# Altium PCB Ixora.PcbDoc (part 11 of 13) (continued)
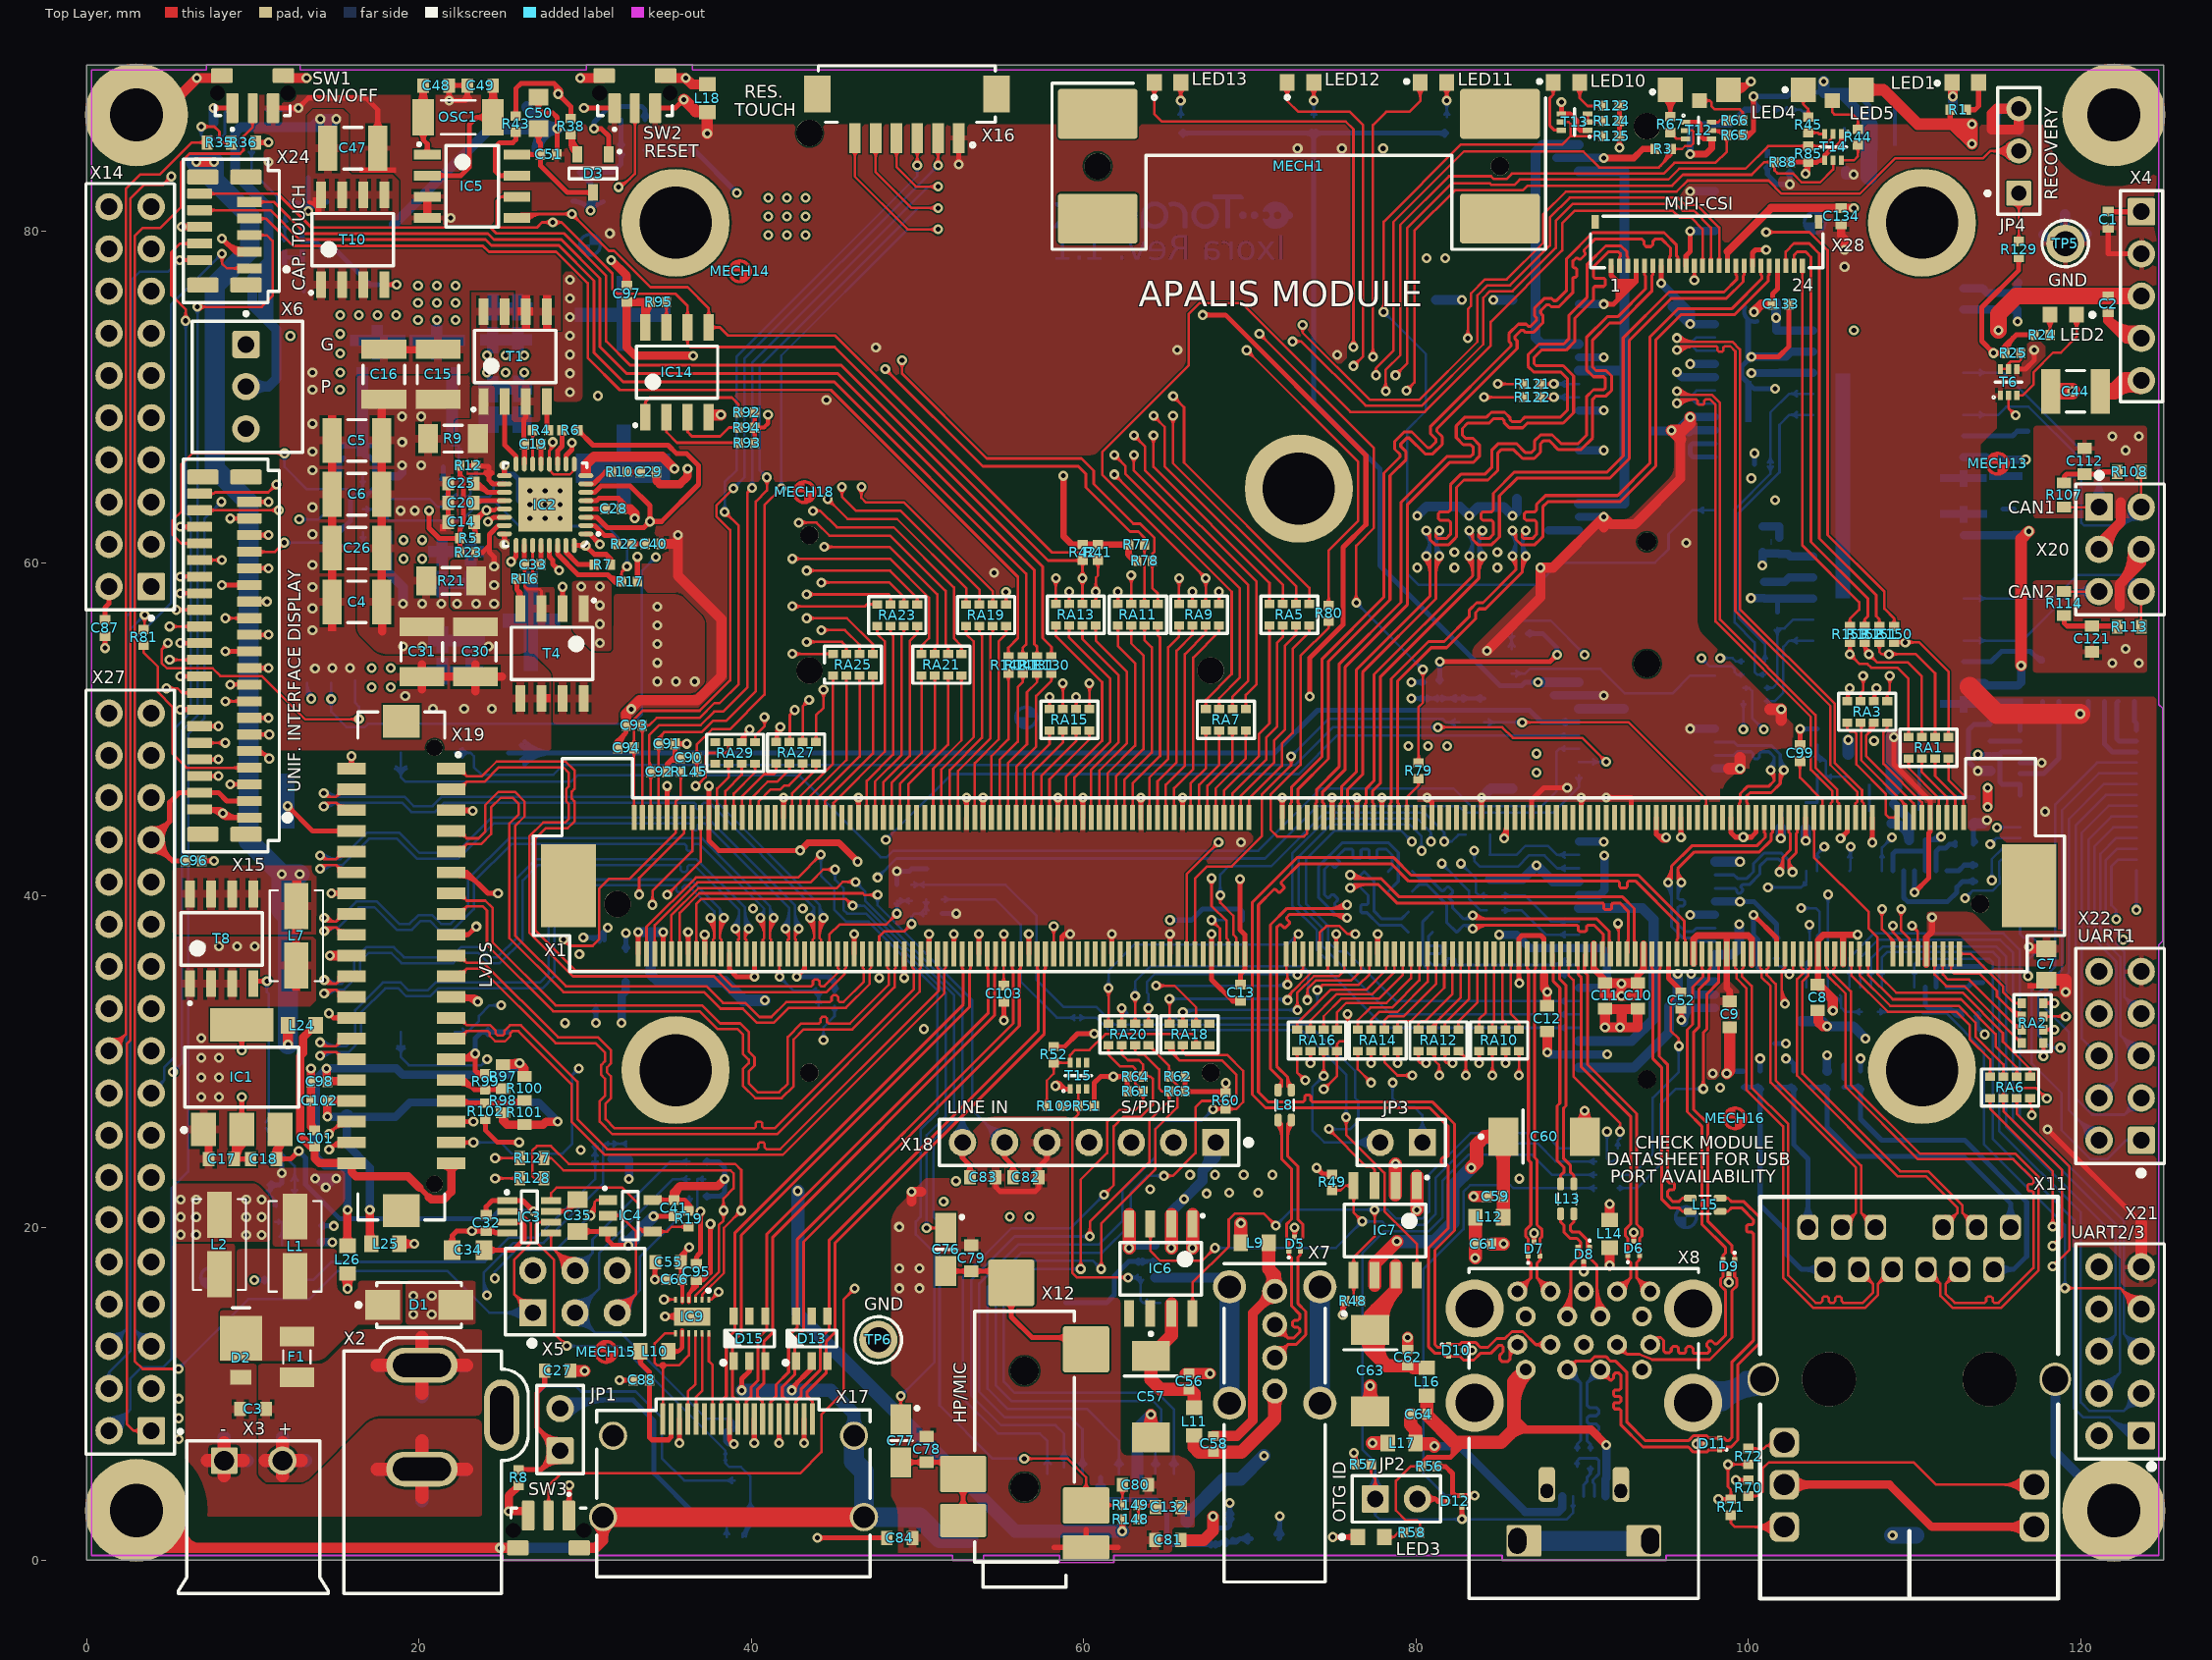
[diagram p0: Top Layer view]
## Nets (pads, with @x,y where several pads share a name; then routed paths per layer and width w, separated by ;. In a path a pad name is that pad's centre, name@x,y a point inside that pad or via, vN(x,y) a via of type N, cw(c..) or ccw(c..) an arc to the next point about the centre after c; other vN are vias at no path point) (continued)
  Bottom Layer w0.15: v1(71.565,20.14) 72.525,21.1 v1(77.515,21.1) 78.29,21.1 78.816,20.574 80.374,20.574 80.789,20.989 80.789,23.208 83.282,25.7 87.7,25.7 88.6,24.8 RA8.5@90.85,24.8 ; v1@71.565,20.365 ccw(c71.565,20.908) 71.95,20.524 ccw(c72.334,20.14) v1@71.79,20.14 ; v1@77.356,20.941 ccw(c76.972,20.557) 76.972,21.1 ccw(c76.972,21.643) v1@77.356,21.259 ; v1@77.674,20.941 cw(c78.058,20.557) 78.058,21.1 cw(c78.058,21.643) v1@77.674,21.259 ; RA8.5@90.691,24.641 ccw(c90.307,24.257) 90.307,24.8 ccw(c90.307,25.343) RA8.5@90.691,24.959
USBH_PCIE_N: R118.2 R120.2 X25.36 | length 14.6
  Bottom Layer w0.18: R118.2@80.997,37.8 80.76,37.563 80.76,37.068 80.832,36.995 81.459,36.995 81.531,36.923 81.531,36.586 81.459,36.513 80.832,36.513 80.76,36.441 80.76,36.07 80.995,35.835 81.804,35.835 81.877,35.907 81.877,36.154 81.949,36.226 82.286,36.226 82.359,36.154 82.359,35.907 82.431,35.835 89.585,35.835 X25.36@89.8,36.05 ; 88.074,35.835 ccw(c88.074,37.076) X25.36@88.952,36.198 ; 88.509,35.835 ccw(c88.509,36.641) X25.36@89.079,36.071
USBH_PCIE_P: R119.2 R126.2 X25.38 | length 14.6
  Bottom Layer w0.18: R119.2@80.997,39.019 80.39,38.412 80.39,35.917 80.842,35.465 89.585,35.465 X25.38@89.8,35.25 ; 88.074,35.465 cw(c88.074,34.224) X25.38@88.952,35.102 ; 88.509,35.465 cw(c88.509,34.659) X25.38@89.079,35.229
USBO1_D_CL_N: R55.1 X9.2 | length 4.5
  Bottom Layer w0.18: R55.1@89.6,5.823 ccw(c89.494,6) 89.7,6 ; R55.1@89.7,5.656 89.7,6 ; R55.1@89.8,5.823 cw(c89.906,6) 89.7,6 ; X9.2@90.75,3.85 90.75,4.561 90.65,4.661 90.65,4.841 90.995,5.186 90.995,6.02 90.879,6.136 89.836,6.136 89.7,6
USBO1_D_CL_P: R54.1 X9.3 | length 2.7
  Bottom Layer w0.18: X9.3@90.1,3.85 90.1,4.55 90.285,4.735 90.285,4.985 90.495,5.195 ; R54.1@90.359,5.516 cw(c90.048,5.195) 90.495,5.195 ; R54.1@90.495,5.636 90.495,5.195 ; R54.1@90.631,5.516 ccw(c90.942,5.195) 90.495,5.195
USBO1_D_CON_N: D11.2 L15.3 R55.2 X8.L2 | length 40.3
  Top Layer w0.18: X8.L2@89.1,11.48 89.601,11.981 ; X8.L2@89.328,11.936 ccw(c89.433,12.148) 89.601,11.981 ; X8.L2@89.556,11.708 cw(c89.768,11.813) 89.601,11.981 ; L15.3@98.3,21 98.773,21 98.988,21.215 99.585,21.215 100.3,20.5 100.3,20.28 100.212,20.192 99.978,20.192 99.89,20.104 99.89,19.84 99.978,19.752 100.212,19.752 100.3,19.664 100.3,13.224 99,11.924 99,7.384 98.812,7.196 98.692,7.196 98.527,7.361 D11.2@98.275,7.361 97.644,7.361 97.504,7.501 96.697,7.501 96.392,7.196 93.814,7.196 92.695,8.314 92.695,11.305 92.019,11.981 91.717,11.981 91.427,12.27 90.773,12.27 90.483,11.981 89.601,11.981
  Bottom Layer w0.18: X8.L2@89.1,11.48 89.915,10.665 ; X8.L2@89.116,11.15 cw(c89.148,10.473) 89.627,10.953 cw(c90.107,11.432) X8.L2@89.43,11.464 ; X8.L2@89.124,10.971 cw(c89.174,9.924) 89.915,10.665 ; R55.2@89.586,6.774 ccw(c89.425,6.997) 89.7,6.997 ; X8.L2@89.609,11.456 ccw(c90.656,11.406) 89.915,10.665 ; R55.2@89.7,6.616 89.7,6.997 ; R55.2@89.814,6.774 cw(c89.975,6.997) 89.7,6.997 ; 89.7,6.997 89.915,7.212 89.915,10.665
USBO1_D_CON_P: D11.1 L15.4 R54.2 X8.L3 | length 42.9
  Top Layer w0.18: X8.L3@91.1,11.48 91.1,11.421 91.671,10.85 ; X8.L3@91.213,10.983 cw(c91.322,10.501) 91.671,10.85 ; X8.L3@91.576,11.297 ccw(c91.968,11.147) 91.671,10.85 ; L15.4@98.3,21.8 98.773,21.8 98.988,21.585 99.738,21.585 100.67,20.653 100.67,13.071 99.37,11.771 99.37,7.231 98.965,6.826 98.692,6.826 98.527,6.661 D11.1@98.275,6.661 97.644,6.661 97.504,6.521 96.697,6.521 96.392,6.826 93.661,6.826 92.325,8.161 92.325,9.035 92.249,9.111 91.963,9.111 91.887,9.187 91.887,9.415 91.963,9.491 92.249,9.491 92.325,9.567 92.325,9.795 92.249,9.871 91.963,9.871 91.887,9.947 91.887,10.175 91.963,10.251 92.249,10.251 92.325,10.327 92.325,11.152 92.207,11.27 91.993,11.27 91.9,11.177 91.9,10.989 91.761,10.85 91.671,10.85
  Bottom Layer w0.18: R54.2@90.381,6.774 ccw(c90.22,6.997) 90.495,6.997 ; R54.2@90.495,6.616 90.495,6.997 ; X8.L3@90.591,11.456 cw(c89.544,11.406) 90.285,10.665 ; R54.2@90.609,6.774 cw(c90.77,6.997) 90.495,6.997 ; X8.L3@90.77,11.464 cw(c90.093,11.432) 90.573,10.953 cw(c91.052,10.473) X8.L3@91.084,11.15 ; X8.L3@91.076,10.971 ccw(c91.026,9.924) 90.285,10.665 ; X8.L3@91.1,11.48 90.285,10.665 ; 90.285,10.665 90.285,9.344 90.434,9.195 90.848,9.195 90.997,9.046 90.997,8.847 90.848,8.698 90.434,8.698 90.285,8.549 90.285,8.35 90.434,8.201 90.848,8.201 90.997,8.052 90.997,7.853 90.848,7.704 90.434,7.704 90.285,7.555 90.285,7.207 90.495,6.997
USBO1_D_N: L15.2 X1.76 | length 17
  Top Layer w0.18: X1.76@94.2,36.5 94.2,35.611 94.265,35.546 94.265,30.18 94.78,29.665 94.78,21.747 95.312,21.215 95.812,21.215 96.027,21 L15.2@96.5,21
USBO1_D_P: L15.1 X1.74 | length 17
  Top Layer w0.18: X1.74@94.7,36.5 94.7,35.611 94.635,35.546 94.635,30.333 95.15,29.818 95.15,22.818 95.238,22.73 95.472,22.73 95.56,22.642 95.56,22.378 95.472,22.29 95.238,22.29 95.15,22.202 95.15,21.9 95.465,21.585 95.812,21.585 96.027,21.8 L15.1@96.5,21.8
USBO1_EN: IC7.3 R2.2 R47.2 | length 47.4
  Top Layer w0.15: v1@74.75,25.73 cw(c74.75,25.187) 75.134,25.571 cw(c75.518,25.955) v1@74.975,25.955 ; v1(74.75,25.955) 77.007,23.698 77.329,23.698 77.515,23.512 ; IC7.3@77.376,23.227 ccw(c77.154,23.512) 77.515,23.512 ; IC7.3@77.515,22.55 77.515,23.512 ; IC7.3@77.654,23.227 cw(c77.876,23.512) 77.515,23.512
  Bottom Layer w0.15: R47.2@49.65,40.655 R2.2@50.55,40.655 55.306,40.655 57.175,38.786 57.175,34.925 58.801,33.299 60.782,33.299 61.838,32.243 73.548,32.243 76.327,29.464 76.327,27.838 76.53,27.635 76.53,26.43 76.055,25.955 v1(74.75,25.955) ; R47.2@49.824,40.507 cw(c50.182,40.148) 50.182,40.655 cw(c50.182,41.162) R47.2@49.824,40.804 ; R2.2@50.377,40.507 ccw(c50.018,40.148) 50.018,40.655 ccw(c50.018,41.162) R2.2@50.377,40.804 ; v1@74.909,25.796 cw(c75.293,25.412) 75.293,25.955 cw(c75.293,26.499) v1@74.909,26.115
USBO1_ID: D12.1 JP2.1 R57.2 RA8.7 X9.4 | length 79.6
  Top Layer w0.15: R57.2@77.162,5.589 cw(c76.877,5.273) 77.302,5.273 ; JP2.1@77.263,4.393 ccw(c77.086,4.822) 77.55,4.822 ccw(c78.014,4.822) JP2.1@77.837,4.393 ; R57.2@77.302,5.77 77.302,5.273 ; JP2.1@77.321,4.254 ccw(c77.178,4.598) 77.55,4.598 ccw(c77.922,4.598) JP2.1@77.779,4.254 ; R57.2@77.443,5.589 ccw(c77.727,5.273) 77.302,5.273 ; JP2.1@77.55,3.7 77.55,4.914 77.302,5.162 77.302,5.273 ; 77.55,4.601 ccw(c77.716,4.601) 77.686,4.438 cw(c77.716,4.601) 77.55,4.601 ; 77.55,4.601 cw(c77.384,4.601) 77.414,4.438 ccw(c77.384,4.601) 77.55,4.601
  Top Layer w0.3: v1@82.669,2.581 ccw(c82.413,2.837) 82.775,2.837 ccw(c83.137,2.837) v1@82.881,2.581 ; v1(82.775,2.475) D12.1@82.775,3.2
  Bottom Layer w0.15: v1@82.616,2.316 ccw(c82.232,1.932) 82.232,2.475 ccw(c82.232,3.018) v1@82.616,2.634 ; v1@82.934,2.316 cw(c83.318,1.932) 83.318,2.475 cw(c83.318,3.018) v1@82.934,2.634 ; X9.4@89.362,3.287 cw(c89.148,3.073) 89.45,3.073 cw(c89.752,3.073) X9.4@89.538,3.287 ; X9.4@89.45,3.85 89.45,2.85 89.075,2.475 v1(82.775,2.475) 77.79,2.475 77.55,2.715 ; RA8.7@90.691,23.041 ccw(c90.307,22.657) 90.307,23.2 ccw(c90.307,23.743) RA8.7@90.691,23.359 ; RA8.7@90.85,23.2 88.197,23.2 86.997,24.4 83.15,24.4 81.61,22.86 81.61,20.65 80.772,19.812 78.095,19.812 76.775,18.492 76.775,6.675 77.55,5.9 JP2.1@77.55,3.7 77.55,2.715 ; JP2.1@77.02,4.23 ccw(c75.739,5.511) 77.55,5.511 ; JP2.1@77.02,4.23 ccw(c75.739,5.511) 77.55,5.511 ; JP2.1@77.02,4.23 ccw(c75.739,5.511) 77.55,5.511 ; JP2.1@77.126,4.124 ccw(c76.101,5.149) 77.55,5.149 ; JP2.1@77.126,4.124 ccw(c76.101,5.149) 77.55,5.149 ; JP2.1@77.126,4.124 ccw(c76.101,5.149) 77.55,5.149 ; JP2.1@77.232,4.018 ccw(c76.464,4.786) 77.55,4.786 ; JP2.1@77.232,4.018 ccw(c76.464,4.786) 77.55,4.786 ; JP2.1@77.232,4.018 ccw(c76.464,4.786) 77.55,4.786 ; 77.55,2.715 ccw(c77.279,2.715) 77.351,2.977 cw(c77.279,2.715) 77.55,2.715 ; 77.55,2.715 cw(c77.821,2.715) 77.749,2.977 ccw(c77.821,2.715) 77.55,2.715 ; 77.55,4.786 ccw(c78.636,4.786) JP2.1@77.868,4.018 ; 77.55,4.786 ccw(c78.636,4.786) JP2.1@77.868,4.018 ; 77.55,4.786 ccw(c78.636,4.786) JP2.1@77.868,4.018 ; 77.55,5.149 ccw(c78.999,5.149) JP2.1@77.974,4.124 ; 77.55,5.149 ccw(c78.999,5.149) JP2.1@77.974,4.124 ; 77.55,5.149 ccw(c78.999,5.149) JP2.1@77.974,4.124 ; 77.55,5.511 ccw(c79.361,5.511) JP2.1@78.08,4.23 ; 77.55,5.511 ccw(c79.361,5.511) JP2.1@78.08,4.23 ; 77.55,5.511 ccw(c79.361,5.511) JP2.1@78.08,4.23
USBO1_OC#: IC7.8 R46.2 R59.1 | length 49.5
  Top Layer w0.15: v1@75.636,26.514 cw(c75.252,26.13) 75.795,26.13 cw(c76.338,26.13) v1@75.954,26.514 ; v1(75.795,26.673) 75.795,25.618 78.105,23.308 78.105,20.995 80.055,19.045 IC7.8@80.055,17.15 ; IC7.8@79.896,17.809 ccw(c79.512,18.193) 80.055,18.193 ccw(c80.598,18.193) IC7.8@80.214,17.809
  Bottom Layer w0.15: R46.2@51.48,39.775 54.7,39.775 56.21,38.265 56.21,34.84 58.39,32.66 R59.1@59.621,32.66 60.762,32.66 61.494,31.928 73.101,31.928 75.795,29.234 v1(75.795,26.673) ; R46.2@51.654,39.627 cw(c52.012,39.268) 52.012,39.775 cw(c52.012,40.282) R46.2@51.654,39.924 ; R59.1@59.448,32.512 ccw(c59.089,32.153) 59.089,32.66 ccw(c59.089,33.167) R59.1@59.448,32.808 ; R59.1@59.795,32.512 cw(c60.153,32.153) 60.153,32.66 cw(c60.153,33.167) R59.1@59.795,32.808 ; v1@75.636,26.832 ccw(c75.252,27.216) 75.795,27.216 ccw(c76.338,27.216) v1@75.954,26.832
USBO1_SSRX_N: D9.2 X1.64 X8.L5 | length 32.6
  Top Layer w0.18: X8.L5@94.1,12.98 94.528,13.408 ; X8.L5@94.394,13.396 ccw(c94.454,13.481) 94.528,13.408 ; X8.L5@94.516,13.274 cw(c94.601,13.334) 94.528,13.408 ; X1.64@97.2,36.5 97.2,35.611 97.265,35.546 97.265,35.12 96.65,34.505 96.65,32.251 96.328,31.929 96.328,26.995 97.2,26.123 97.2,20.234 98.638,18.796 98.638,18.522 98.473,18.357 D9.2@98.473,18.107 98.473,17.075 98.333,16.935 98.333,16.529 98.638,16.224 98.638,13.561 98.101,13.024 97.978,13.024 97.803,13.2 97.644,13.2 97.504,13.06 97.504,12.885 97.671,12.717 97.671,12.595 97.533,12.456 96.752,12.456 96.665,12.543 96.665,12.756 96.541,12.88 96.359,12.88 96.231,12.752 96.231,12.543 96.144,12.456 95.884,12.456 95.797,12.543 95.797,12.77 95.687,12.88 95.48,12.88 95.363,12.763 95.363,12.606 95.257,12.5 95,12.5 94.9,12.6 94.9,13.23 94.722,13.408 94.528,13.408
USBO1_SSRX_P: D9.1 X1.62 X8.L6 | length 33.4
  Top Layer w0.16: 93.458,12.404 94.2,12.086
  Top Layer w0.18: X8.L6@92.1,12.98 92.676,12.404 ; X8.L6@92.267,12.498 cw(c92.396,12.125) 92.676,12.404 ; X8.L6@92.582,12.813 ccw(c92.955,12.684) 92.676,12.404 ; 93.458,12.404 92.676,12.404 ; 94.2,12.086 97.686,12.086 99.008,13.408 99.008,16.224 99.313,16.529 99.313,16.935 99.173,17.075 99.173,18.357 99.008,18.522 99.008,18.95 97.57,20.388 97.57,26.276 96.698,27.148 96.698,31.776 97.02,32.098 97.02,34.352 97.635,34.967 97.635,35.546 97.7,35.611 X1.62@97.7,36.5
USBO1_SSTX_N: D10.1 X1.70 X8.L8 | length 78.2
  Top Layer w0.18: X8.L8@87.658,12.725 ccw(c87.217,12.471) 87.217,12.98 ; X8.L8@87.658,13.235 cw(c87.217,13.489) 87.217,12.98 ; X8.L8@88.1,12.98 87.217,12.98 ; X1.70@95.7,36.5 95.7,37.361 95.765,37.426 95.765,38.332 93.227,40.87 92.795,40.87 92.723,40.797 92.723,40.551 92.651,40.479 92.313,40.479 92.241,40.551 92.241,40.797 92.169,40.87 79.562,40.87 78.511,41.921 72.994,41.921 71.89,40.816 71.89,40.714 72.064,40.54 72.064,40.438 71.825,40.199 71.723,40.199 71.549,40.373 71.447,40.373 70.52,39.447 70.52,28.18 71.1,27.6 73.224,27.6 73.3,27.676 73.3,27.92 73.376,27.996 73.604,27.996 73.68,27.92 73.68,27.676 73.756,27.6 80.975,27.6 82.32,26.255 82.32,19.849 81.134,18.663 81.134,12.989 81.302,12.821 81.577,12.821 81.742,12.986 82.625,12.986 82.765,13.126 83.572,13.126 83.877,12.821 84.335,12.821 84.864,13.35 85.353,13.35 85.773,13.77 86.427,13.77 87.217,12.98
USBO1_SSTX_P: D10.2 X1.68 X8.L9 | length 79.6
  Top Layer w0.18: 85.65,12.17 cw(c86.131,12.17) X8.L9@86.113,12.65 ; 85.65,12.357 cw(c86.124,12.357) X8.L9@86.106,12.83 ; 85.65,12.544 cw(c86.117,12.544) X8.L9@86.099,13.01 ; X8.L9@85.669,12.707 cw(c85.55,12.63) 85.65,12.53 ; X8.L9@85.827,12.549 ccw(c85.75,12.43) 85.65,12.53 ; X8.L9@86.1,12.98 85.65,12.53 ; X1.68@96.2,36.5 96.2,37.361 96.135,37.426 96.135,38.485 93.38,41.24 79.715,41.24 78.664,42.291 72.841,42.291 70.15,39.6 70.15,28.027 70.947,27.23 80.822,27.23 81.95,26.102 81.95,24.35 81.845,24.245 81.625,24.245 81.52,24.14 81.52,23.93 81.625,23.825 81.845,23.825 81.95,23.72 81.95,20.003 80.764,18.817 80.764,12.836 81.149,12.451 81.577,12.451 81.742,12.286 82.625,12.286 82.861,12.05 83.476,12.05 83.877,12.451 84.488,12.451 84.987,12.95 85.15,12.95 85.25,12.85 85.25,12.556 85.05,12.356 85.05,12.1 85.2,11.95 85.51,11.95 85.65,12.09 85.65,12.53
USBO1_VBUS: D12.2 R56.1 RA8.8 | length 36.3
  Top Layer w0.3: R56.1@81.28,5.65 81.775,5.65 82.2,5.225 82.2,4.6 82.2,4.052 82.352,3.9 D12.2@82.775,3.9 v1(83.535,3.9) ; R56.1@81.375,5.555 cw(c81.606,5.324) 81.606,5.65 cw(c81.606,5.976) R56.1@81.375,5.745 ; v1@83.429,3.794 ccw(c83.173,3.538) 83.173,3.9 ccw(c83.173,4.262) v1@83.429,4.006
  Bottom Layer w0.15: v1@83.376,3.741 ccw(c82.992,3.357) 82.992,3.9 ccw(c82.992,4.443) v1@83.376,4.059 ; v1(83.535,3.9) 81.75,3.9 80.45,5.2 80.45,17.534 82.855,19.939 82.855,22.174 83.261,22.581 85.674,22.581 85.855,22.4 RA8.8@90.85,22.4 ; RA8.8@90.691,22.241 ccw(c90.307,21.857) 90.307,22.4 ccw(c90.307,22.943) RA8.8@90.691,22.559
V5FILT: C20.2 IC2.3 IC2.6 IC2.20 R5.1 R6.2 R12.2 R17.2 R23.2 | length 65.1
  Top Layer w0.3: v1(20.612,63.172) 20.612,62.116 21.228,61.5 R5.1@22.47,61.5 ; R23.2@22.375,60.77 ccw(c22.144,61.001) 22.47,61.001 ccw(c22.796,61.001) R23.2@22.565,60.77 ; R5.1@22.375,61.38 cw(c22.144,61.149) 22.47,61.149 cw(c22.796,61.149) R5.1@22.565,61.38 ; R5.1@22.375,61.405 ccw(c22.144,61.174) 22.144,61.5 ccw(c22.144,61.826) R5.1@22.375,61.595 ; R5.1@22.375,61.62 ccw(c22.144,61.851) 22.47,61.851 ; R12.2@22.375,65.755 cw(c22.144,65.524) 22.47,65.524 cw(c22.796,65.524) R12.2@22.565,65.755 ; R23.2@22.47,60.65 R5.1@22.47,61.5 ; 22.47,61.851 ccw(c22.796,61.851) R5.1@22.565,61.62 ; R12.2@22.47,65.85 22.47,65.287 22.67,65.087 22.67,62.319 22.47,62.119 R5.1@22.47,61.5 ; 22.675,63.65 C20.2@23.2,63.65 ; C20.2@23.172,63.509 ccw(c22.83,63.167) 22.83,63.65 ccw(c22.83,64.133) C20.2@23.172,63.791 ; C20.2@23.25,63.775 IC2.20@25.15,63.775 ; C20.2@23.454,63.584 cw(c23.916,63.122) 23.916,63.775 ; C20.2@23.454,63.866 ccw(c23.675,64.087) 23.675,63.775 ; R6.2@29.58,67.865 cw(c29.58,67.523) R6.2@29.822,67.765 ; R6.2@29.58,68.025 29.58,68.007 30.48,67.107 35.001,67.107 35.509,66.599 36.119,66.599 36.83,65.888 36.83,64.745 34.605,62.52 v1(33.909,62.52) ; R6.2@29.715,68 ccw(c30.025,68) R6.2@29.806,67.781 ; IC2.3@30.05,62.775 30.714,62.775 31.335,62.154 33.543,62.154 v1(33.909,62.52) ; IC2.6@30.05,64.275 30.579,64.275 30.954,64.65 32.731,64.65 33.909,63.472 v1(33.909,62.52) ; v1@33.049,60.289 cw(c32.793,60.033) 33.155,60.033 cw(c33.517,60.033) v1@33.261,60.289 ; R17.2@33.06,59.02 ccw(c32.829,59.251) 33.155,59.251 ccw(c33.481,59.251) R17.2@33.25,59.02 ; R17.2@33.155,58.9 v1(33.155,60.395) ; v1@33.759,62.52 cw(c33.397,62.52) 33.653,62.264 cw(c33.909,62.008) v1@33.909,62.37 ; v1@33.803,62.626 ccw(c33.547,62.882) 33.909,62.882 ccw(c34.271,62.882) 34.015,62.626 ccw(c34.271,62.882) 34.271,62.52 ccw(c34.271,62.158) v1@34.015,62.414
  Mid-Layer 2 w0.254: 32.896,61.354 ccw(c33.16,61.354) 33.155,61.09 ccw(c33.16,61.354) 33.16,61.09 ccw(c33.16,61.354) 33.423,61.354 ccw(c33.16,61.354) 33.346,61.54 ccw(c33.16,61.354) 32.973,61.54 ccw(c33.16,61.354) 32.896,61.354
  Mid-Layer 2 w0.3: v1@20.612,63.022 cw(c20.612,62.66) 20.868,62.916 cw(c21.124,63.172) v1@20.762,63.172 ; v1(20.612,63.172) 21.834,61.95 24.4,61.95 24.867,62.416 24.867,63.576 26.365,65.075 29.439,65.075 32.973,61.54 33.16,61.354 ; v1@33.049,60.501 ccw(c32.793,60.757) 33.155,60.757 ccw(c33.517,60.757) v1@33.261,60.501 ; v1(33.155,60.395) 33.155,61.09 33.155,61.349 33.16,61.354 ; v1@33.803,62.414 cw(c33.547,62.158) 33.909,62.158 cw(c34.271,62.158) v1@34.015,62.414 ; v1(33.909,62.52) 33.909,62.103 33.346,61.54 33.16,61.354
V_FAN_UNREG: C47.2 R68.2 T10.5 T10.6 T10.7 T10.8 X6.2 | length 37.1
  Top Layer w0.254: 13.423,81.729 cw(c13.322,81.14) 13.919,81.153
  Mid-Layer 2 w0.6: v1(14.072,86.741) v1(15.037,86.741)
  Bottom Layer w0.6: X6.2@9.6,70.64 10.95,70.64 11.43,71.12 11.43,74.066 9.982,75.515 R68.2@9.982,76.378 9.982,77.215 10.947,78.181 ; X6.2@9.971,70.269 cw(c10.867,69.373) 10.867,70.64 cw(c10.867,71.907) X6.2@9.971,71.011 ; 10.643,74.905 10.643,77.826 ; 10.947,74.574 10.947,78.181 ; 10.947,78.181 10.947,81.432 8.941,83.439 8.941,85.928 9.271,86.258 13.589,86.258 ; 13.589,86.258 14.554,86.258 v1(15.037,86.741) v1(14.072,86.741) 13.589,86.258
V_SUPPLY_FILT: C4.2 C5.2 C6.2 C15.2 C16.2 C17.2 C26.2 C30.2 C31.2 C43.2 C46.2 D14.1 D16.1 IC1.1 IC2.22 L1.2 L7.1 R30.2 R33.2 R68.1 T1.5 T1.6 T4.5 T4.6 T8.1 T8.2 T8.3 T10.1 T10.2 T10.3 | length 42.9
  Top Layer w0.3: IC1.1@7.046,25.924 IC1.1@7.35,25.62 ; v1(24.15,62.5) 24.23,62.5 24.505,62.775 ; v1@24.162,62.649 ccw(c24.198,63.082) 24.505,62.775 ; IC2.22@25.15,62.775 24.505,62.775
  Top Layer w0.5: C17.2@7.35,24.246 IC1.1@7.35,25.62 ; 20.179,52.42 C31.2@20.179,53.182 ; 20.179,53.926 C31.2@20.179,53.182 ; 23.39,53.926 23.4,53.916 C30.2@23.4,53.182 ; 23.4,52.3 C30.2@23.4,53.182 ; 25,53.189 24.994,53.182 C30.2@23.4,53.182 ; C31.2@20.179,53.182 C30.2@23.4,53.182
  Mid-Layer 2 w0.3: v1(13.6,63.377) 15.308,63.377 16.591,64.66 20.772,64.66 22.932,62.5 v1(24.15,62.5) ; v1@24.044,62.394 ccw(c23.788,62.138) 23.788,62.5 ccw(c23.788,62.862) v1@24.044,62.606
  Mid-Layer 1 w0.8: v1(11.75,23.3) 13.44,23.3 ; 13.44,23.3 15.035,23.3 v1(15.035,22.975) ; 13.44,23.3 v1(13.765,22.975) ; v1(13.765,22.975) v1(15.035,22.975) ; v1(13.765,22.975) 14.298,22.442 v1(14.4,22.442) 14.502,22.442 v1(15.035,22.975)
  Bottom Layer w0.15: C43.2@10.852,22.264 cw(c10.732,22.024) 11,22.024 cw(c11.321,22.024) C43.2@11.135,22.286 ; C43.2@11,22.585 11,22.025 11.35,21.675 ; 11.161,21.864 cw(c10.819,21.521) R30.2@11.269,21.342 ; R30.2@11.249,21.504 ccw(c11.155,21.675) 11.35,21.675 ; 11.323,21.702 cw(c11.05,21.429) R30.2@11.409,21.287 ; R30.2@11.35,21.32 11.35,21.675 ; R30.2@11.451,21.504 cw(c11.545,21.675) 11.35,21.675
  Bottom Layer w0.254: R33.2@11.913,78.412 11.915,78.41 C46.2@12.979,78.41 ; R68.1@13.082,76.378 R68.1@13.082,76.962
  Bottom Layer w0.3: D14.1@10.975,23.963 11.613,23.963 11.75,23.826 v1(11.75,23.3) 11.75,22.709 11.626,22.585 C43.2@11,22.585 ; C43.2@11.116,22.444 cw(c11.458,22.102) 11.458,22.585 cw(c11.458,23.068) C43.2@11.116,22.726 ; D14.1@11.199,23.839 cw(c11.498,23.541) 11.498,23.963 cw(c11.498,24.386) D14.1@11.199,24.087
  Bottom Layer w0.5: v1@13.867,22.975 v1(14.4,22.442) v1@14.933,22.975
  Bottom Layer w0.6: v1(13.765,22.975) 13.867,22.975 14.933,22.975 v1(15.035,22.975)
  other v1: 6.9,27.894 7.978,27.894 6.9,29.072 7.978,29.072 6.9,30.25 7.978,30.25 6.9,31.428 6.9,36.95 7.978,36.95 9.056,36.95 10.134,36.95 20.85,51.25 22.726,51.25 24.4,51.25 19.179,52.007 13.75,53.675 14.8,53.702 15.85,53.7 13.6,55.975 13.6,57.292 13.6,58.583 13.6,59.9 13.6,61.75 13.6,65.6 13.6,66.726 13.6,68.4 13.6,70.45 13.6,71.475
V_SUPPLY_FILT_SW: C44.2 L7.2 L24.1 T8.5 T8.6 T8.7 T8.8 X4.5 | length 196.1
  Top Layer w0.6: v1(6.604,84.15) v1(7.671,84.15) ; L24.1@12.114,32.194 12.125,32.182 v1(12.125,31.05)
  Top Layer w1: C44.2@121.183,70.35 122.018,70.35 ; X4.5@123.541,70.694 ccw(c123.052,69.317) 122.018,70.35 ; X4.5@123.65,71 122.668,71 122.018,70.35
  Mid-Layer 1 w1.2: v1(6.604,84.15) v1(7.671,84.15) 10.008,86.487 11.938,86.487 13.691,84.734 41.504,84.734 42.088,84.15 44.983,84.15 47.396,86.563 87.097,86.563 90.272,83.388 99.644,83.388 103.353,79.68 103.353,77.648 105.054,75.946 117.348,75.946 122.294,71 X4.5@123.65,71
  Bottom Layer w1.2: v1(12.125,31.05) 12.125,38.726 11.746,39.105 11.746,40.215 ; 7.671,83.083 v1(6.604,84.15) v1(7.671,84.15) 7.671,83.083 ; 7.671,83.083 9.83,80.924 9.83,78.842 7.722,76.733 7.722,65.71 9.754,63.678 9.754,43.292 v1(11.746,41.3) ; 11.746,40.215 v1(12.831,41.3) v1(11.746,41.3) ; 11.746,40.215 v1(11.746,41.3)
V_SUPPLY_SW_EN: C45.2 R32.2 T9.1 | length 26.7
  Bottom Layer w0.15: T9.1@12.725,16.87 13.644,16.87 14.732,17.958 23.954,17.958 25.427,19.431 27.102,19.431 30.611,22.941 C45.2@30.611,24.159 ; T9.1@12.884,16.711 cw(c13.268,16.327) 13.268,16.87 cw(c13.268,17.413) T9.1@12.884,17.029 ; C45.2@30.449,23.957 cw(c30.058,23.566) 30.611,23.566 ; C45.2@30.449,24.341 ccw(c30.058,24.733) 30.611,24.733 ; C45.2@30.452,24 cw(c30.068,23.616) 30.611,23.616 cw(c31.155,23.616) C45.2@30.771,24 ; R32.2@30.463,24.901 cw(c30.104,24.543) 30.611,24.543 cw(c31.118,24.543) R32.2@30.76,24.901 ; C45.2@30.601,24.149 C45.2@30.611,24.159 ; 30.611,23.614 cw(c31.096,23.614) C45.2@30.753,23.957 ; 30.611,24.684 ccw(c31.096,24.684) C45.2@30.753,24.341 ; R32.2@30.611,25.075 C45.2@30.611,24.159
V_SUPPLY_SW_EN#: C43.1 D14.2 R31.2 T8.4 | length 22.6
  Top Layer w0.3: T8.4@10.008,34.85 v1(10.855,34.85) ; v1@10.749,34.744 ccw(c10.493,34.488) 10.493,34.85 ccw(c10.493,35.212) v1@10.749,34.956
  Bottom Layer w0.15: v1@10.696,34.691 cw(c10.312,34.307) 10.855,34.307 cw(c11.398,34.307) v1@11.014,34.691 ; D14.2@10.798,26.016 cw(c10.371,25.589) 10.975,25.589 cw(c11.579,25.589) D14.2@11.152,26.016 ; v1(10.855,34.85) 10.855,34.205 10.975,34.085 10.975,25.271 12.525,23.721 C43.1@12.525,22.585 12.525,21.975 ; R31.2@12.124,21.504 ccw(c12.03,21.675) 12.225,21.675 ; R31.2@12.17,21.279 cw(c12.48,21.438) 12.234,21.684 ; R31.2@12.225,21.32 12.225,21.675 ; R31.2@12.303,21.347 cw(c12.672,21.536) 12.379,21.829 ; R31.2@12.326,21.504 cw(c12.42,21.675) 12.225,21.675 ; C43.1@12.331,22.854 ccw(c11.861,23.324) 12.525,23.324 ccw(c13.189,23.324) C43.1@12.719,22.854 ; C43.1@12.365,22.286 cw(c12.142,21.975) 12.525,21.975 ; C43.1@12.685,22.286 ccw(c12.908,21.975) 12.525,21.975 ; 10.975,26.797 ccw(c11.579,26.797) 11.152,26.37 cw(c11.579,26.797) 10.975,26.797 ; 10.975,26.797 cw(c10.371,26.797) 10.798,26.37 ccw(c10.371,26.797) 10.975,26.797 ; 12.225,21.675 12.525,21.975
V_SUPPLY_SW_EN_R: R30.1 R31.1 T9.3 | length 4.2
  Bottom Layer w0.15: R30.1@11.35,20.36 11.775,20.36 ; R30.1@11.548,20.241 cw(c11.775,20.084) 11.775,20.36 ; R30.1@11.548,20.479 ccw(c11.775,20.636) 11.775,20.36 ; T9.3@11.616,19.479 ccw(c11.232,19.863) 11.775,19.863 ccw(c12.318,19.863) T9.3@11.934,19.479 ; T9.3@11.775,18.97 11.775,20.36 ; R31.1@12.03,20.236 ccw(c11.788,20.06) 11.788,20.36 ; R31.1@12.03,20.484 cw(c11.788,20.66) 11.788,20.36 ; R31.1@12.225,20.36 11.788,20.36
VCC_BATT: BAT1.1 R39.1 R40.1 | length 38.5
  Mid-Layer 1 w0.3: v1(13.355,81.193) 13.747,81.585 29.974,81.585 v1(30.33,81.228) ; v1@13.355,81.343 ccw(c13.355,81.705) 13.611,81.449 ccw(c13.868,81.193) v1@13.505,81.193 ; v1@30.18,81.228 ccw(c29.818,81.228) 30.074,81.484 ccw(c30.33,81.74) v1@30.33,81.378
  Bottom Layer w0.3: BAT1.1@12.296,81.752 cw(c12.319,80.512) v1(13.355,81.193) ; v1@13.249,81.299 ccw(c12.993,81.555) 13.355,81.555 ccw(c13.718,81.555) v1@13.461,81.299 ; BAT1.1@13.355,83.194 v1(13.355,81.193) ; BAT1.1@14.453,81.749 ccw(c14.414,80.464) v1(13.355,81.193) ; BAT1.1@29.271,81.787 cw(c29.294,80.547) v1(30.33,81.228) ; BAT1.1@29.652,83.532 30.33,82.854 v1(30.33,81.228) ; v1@30.356,81.207 v1@30.356,81.264 ; 30.356,81.529 ccw(c30.631,81.529) 30.436,81.334 cw(c30.693,81.59) 30.33,81.59 cw(c29.968,81.59) 30.224,81.334 ccw(c29.907,81.652) BAT1.1@30.356,81.652 ; BAT1.1@31.111,81.754 ccw(c31.389,80.5) v1@30.356,81.264 ; R39.1@32.069,84.595 cw(c31.83,84.356) 32.168,84.356 cw(c32.506,84.356) R39.1@32.267,84.595 ; R39.1@32.069,85.178 ccw(c31.83,85.417) 32.168,85.417 ccw(c32.506,85.417) R39.1@32.267,85.178 ; R40.1@32.168,86.69 R39.1@32.168,84.861 32.168,84.035 31.683,83.55 BAT1.1@29.67,83.55 30.356,82.864 v1@30.356,81.264 ; v1(30.33,81.228) cw(c31.389,80.5) v1@30.356,81.264
VCC_EXTRTC: D3.1 R40.2 | length 8.5
  Top Layer w0.3: v1(30.541,86.157) 30.988,86.157 31.43,85.715 D3.1@31.43,84.614 ; v1@30.647,86.051 cw(c30.903,85.795) 30.903,86.157 cw(c30.903,86.519) v1@30.647,86.263
  Bottom Layer w0.3: v1@30.435,86.263 ccw(c30.179,86.519) 30.541,86.519 ccw(c30.903,86.519) v1@30.647,86.263 ; v1(30.541,86.157) 30.541,86.548 31.496,87.503 33.401,87.503 33.618,87.286 R40.2@33.618,86.69 ; R40.2@33.494,86.914 ccw(c33.195,87.213) 33.618,87.213 ccw(c34.04,87.213) R40.2@33.742,86.914
VCC_INTRTC: C13.2 R39.2 X1.174 | length 94
  Top Layer w0.3: v1(67.172,74.95) 68.535,74.95 76.987,66.497 76.987,62.335 75.616,60.963 75.616,56.312 73.609,54.305 v1(73.609,51.994) ; v1@67.278,74.844 cw(c67.534,74.588) 67.534,74.95 cw(c67.534,75.312) v1@67.278,75.056 ; v1@69.312,40.89 cw(c69.056,40.633) 69.418,40.633 cw(c69.78,40.633) v1@69.524,40.89 ; v1(69.418,40.996) 69.418,37.948 69.7,37.666 X1.174@69.7,36.5 69.7,35.531 69.45,35.281 C13.2@69.45,34.64
  Mid-Layer 1 w0.3: v1@39.035,82.19 cw(c38.779,81.934) 39.141,81.934 cw(c39.504,81.934) v1@39.247,82.19 ; v1@39.141,82.347 v1(39.141,82.296) 39.141,76.2 40.391,74.95 v1(67.172,74.95) ; v1@67.066,74.844 ccw(c66.81,74.588) 66.81,74.95 ccw(c66.81,75.312) v1@67.066,75.056 ; v1(69.418,40.996) 70.256,41.834 70.256,48.641 v1(73.609,51.994)
  Bottom Layer w0.3: R39.2@33.618,84.861 36.576,84.861 v1(39.141,82.296) ; R39.2@33.742,84.738 cw(c34.04,84.439) 34.04,84.861 cw(c34.04,85.284) R39.2@33.742,84.985 ; v1@38.992,82.271 ccw(c38.569,82.271) 38.868,82.569 ccw(c39.167,82.868) v1@39.167,82.446 ; v1@38.991,82.296 ccw(c38.629,82.296) 38.885,82.552 ccw(c39.141,82.808) v1@39.141,82.446
VCC_RTC: C50.1 C51.2 D3.3 IC5.8 | length 9.7
  Top Layer w0.3: IC5.8@25.908,84.607 C51.2@27.229,84.607 ; IC5.8@26.514,84.501 cw(c26.77,84.245) 26.77,84.607 cw(c26.77,84.97) IC5.8@26.514,84.713 ; C50.1@26.975,85.891 cw(c26.549,85.395) 27.203,85.395 ; C50.1@27.203,86.157 27.203,85.395 ; C50.1@27.431,85.891 ccw(c27.858,85.395) 27.203,85.395 ; D3.3@30.374,82.208 ccw(c30.118,81.952) 30.118,82.314 ccw(c30.118,82.677) D3.3@30.374,82.42 ; D3.3@30.48,82.314 28.938,82.314 27.323,83.929 C51.2@27.323,84.607 27.323,85.275 27.203,85.395
VCC_USBH2: C58.2 L11.2 X7.1 | length 9.5
  Top Layer w0.8: L11.2@66.65,7.51 66.65,6.807 66.957,6.5 69.492,6.5 71.5,8.508 X7.1@71.5,10.19 ; X7.1@71.252,9.943 cw(c70.655,9.345) 71.5,9.345 cw(c72.345,9.345) X7.1@71.747,9.943
VCC_USBH4: C61.2 L12.2 X8.U1 | length 10
  Top Layer w0.8: v1(83.57,18.2) C61.2@83.57,19.05 L12.2@83.57,20.65
  Mid-Layer 2 w0.5: 87.1,15.696 87.1,16.594
  Mid-Layer 2 w0.6: v1(83.57,18.2) 85.827,18.2 87.1,16.927 87.1,16.594 ; X8.U1@86.53,14.972 ccw(c86.355,15.696) 87.1,15.696 87.1,15.18 X8.U1@86.6,14.68
VCC_USBO1: C64.2 L16.2 R56.2 R58.1 X8.L1 X9.1 | length 36.9
  Top Layer w0.15: R58.1@80.115,1.858 ccw(c79.975,2.071) 80.23,2.071 ccw(c80.485,2.071) R58.1@80.345,1.858 ; R56.2@80.172,5.502 ccw(c79.813,5.143) 79.813,5.65 ccw(c79.813,6.157) R56.2@80.172,5.799 ; R58.1@80.23,1.657 80.23,2.244 80.074,2.4 79.398,2.4 78.8,2.998 78.8,4.784 79.666,5.65 R56.2@80.32,5.65
  Top Layer w0.254: 85.817,7.401 cw(c86.652,6.566) 86.69,7.747
  Top Layer w0.3: R56.2@80.32,5.65 80.32,5.82 80.71,6.21 82.08,6.21 82.22,6.35 ; R56.2@80.455,5.675 cw(c81.131,5.675) 80.653,6.153 ; 82.22,7.01 82.22,6.35 ; 82.688,6.819 82.22,6.35 ; 86.171,8.444 86.639,7.976
  Top Layer w0.5: 85.895,7.87 90.535,7.87 v1(91.455,6.95)
  Top Layer w0.8: L16.2@80.65,9.91 C64.2@80.65,8.8 80.65,8.763 82.323,7.09 85.115,7.09 85.895,7.87 85.895,10.775 X8.L1@86.6,11.48 ; 85.895,9.295 cw(c88.785,9.295) X8.L1@86.741,11.339 ; 85.895,10.483 cw(c86.697,10.483) X8.L1@86.619,11.281
  Bottom Layer w0.5: X9.1@91.4,3.85 91.4,4.9 91.455,4.955 v1(91.455,6.95)
VREF2: C28.2 IC2.4 | length 1.7
  Top Layer w0.3: IC2.4@30.05,63.275 C28.2@31.215,63.275 ; C28.2@31.116,63.176 ccw(c30.877,62.937) 30.877,63.275 ccw(c30.877,63.613) C28.2@31.116,63.374
VREG3: C25.2 IC2.19 | length 3.7
  Top Layer w0.3: C25.2@23.299,64.834 cw(c23.365,64.365) 23.7,64.7 ; C25.2@23.313,64.81 23.39,64.81 23.6,64.6 23.8,64.6 ; C25.2@23.341,64.537 cw(c23.471,63.621) 24.125,64.275 ; C25.2@23.5,64.806 ccw(c23.8,64.921) 23.8,64.6 ; IC2.19@25.15,64.275 24.125,64.275 ; 23.8,64.6 24.125,64.275